# KiCad board 8851_HW-U1-VCU118_REV2-0_071417.kicad_pcb (continued)
## Routing (per net, layer and track width the routed paths; a pad name or vN(x,y) marks a point on that pad's centre or on a via; arc(x,y) is an arc through that point) (continued)
  14_SIG4 w0.087: v3(59,164.5) 59.49,164.01 59.49,152.68 61.1,151.07 61.1,149.34 62.19,148.25 62.66,148.25 65.32,145.59 65.32,144.82 65.23,144.73 63.17,144.73 62.92,144.48 62.92,143.9 63.17,143.65 65.23,143.65 65.32,143.57 65.32,139.71 65.97,139.07 86.26,139.07 86.69,138.64 86.69,134.65 87.03,134.31 87.61,134.31 87.86,134.56 87.86,137.86 87.95,137.95 88.3,137.95 88.39,137.86 88.39,134.56 90.07,132.88 103.48,132.88 104.18,132.18 104.62,132.18 108,128.8 108,127.69 111.42,124.27 113.05,124.27 113.38,123.95 113.38,122.43 114.66,121.14 114.66,108.83 113.08,107.26 113.08,104.34 110.54,101.8 110.54,99.97 110.35,99.78 110.07,99.5 109.5,99.5 108.2,98.2 108.2,92.17 106.87,90.84 106.87,88
FMCP_HSPC_LA32_P: length 157.1
  TOP w0.102: 104.07,74.16 v2(103.58,74.65) ; J22.H37 v3(60.25,164.5)
  14_SIG4 w0.075: 107.14,88 107.14,87.98 107.1,87.94 107.1,86.1 107.12,86.08 107.12,85.23 106.8,84.9 106.35,84.9 106.12,84.67 106.12,83.24 105.79,82.92 105.38,82.92 105.15,82.69 105.15,82.28 104.81,81.93 103.42,81.93 103.19,81.7 103.19,81.29 102.84,80.95 102.43,80.95 102.2,80.72 102.2,75.47 102.43,75.24 102.86,75.24 103.19,74.91 103.19,74.72 103.26,74.65 v2(103.58,74.65)
  14_SIG4 w0.087: 107.14,88 107.14,90.72 108.47,92.05 108.47,98.09 109.61,99.23 110.18,99.23 110.54,99.58 110.82,99.86 110.82,101.68 113.36,104.23 113.36,107.14 114.94,108.72 114.94,121.25 113.65,122.54 113.65,124.06 113.16,124.55 111.53,124.55 108.28,127.81 108.28,128.91 104.74,132.45 104.3,132.45 103.59,133.15 90.18,133.15 88.66,134.67 88.66,137.98 88.41,138.23 87.84,138.23 87.59,137.98 87.59,134.67 87.5,134.58 87.14,134.58 86.96,134.76 86.96,138.75 86.38,139.34 66.08,139.34 65.6,139.83 65.6,143.68 65.35,143.93 63.29,143.93 63.2,144.02 63.2,144.37 63.29,144.45 65.35,144.45 65.6,144.7 65.6,145.7 62.78,148.52 62.3,148.52 61.37,149.45 61.37,151.19 59.76,152.79 59.76,164.13 59.58,164.32 59.58,164.7 59.7,164.83 59.93,164.83 v3(60.25,164.5)
FMCP_HSPC_LA33_N: length 154.7
  TOP w0.102: J22.G37 v3(60.25,163.25) ; 103.09,75.14 v2(102.6,75.63)
  14_SIG4 w0.075: v2(102.6,75.63) 102.92,75.63 102.99,75.71 102.99,79.81 103.34,80.16 103.74,80.16 103.97,80.39 103.97,80.8 104.32,81.14 105.71,81.14 105.94,81.37 105.94,81.78 106.29,82.13 107.68,82.13 107.89,82.34 107.89,84.94 107.91,84.96 107.91,86.06 107.93,86.07 107.93,87.95 107.89,87.99 107.89,88.01
  14_SIG4 w0.087: v3(60.25,163.25) 60.65,163.25 60.74,163.16 60.74,152.77 61.09,152.43 61.81,152.43 63.08,151.16 63.08,149.09 66.28,145.89 66.28,140.36 66.66,139.97 87.3,139.97 87.48,139.79 87.48,139.07 87.73,138.83 88.31,138.83 88.56,139.07 88.56,139.79 88.65,139.88 89.15,139.88 89.35,139.67 89.35,137.27 89.6,137.02 92.76,137.02 92.85,136.94 92.85,136.59 92.76,136.5 89.6,136.5 89.35,136.25 89.35,135.59 89.74,135.2 96.23,135.2 97.17,134.26 103.75,134.26 104.01,134.51 104.15,134.51 104.44,134.21 104.44,134.07 104.23,133.86 104.23,133.48 104.61,133.1 104.99,133.1 105.11,133.23 105.43,133.23 106.3,132.36 106.3,131.73 108.88,129.15 108.88,128.14 111.74,125.27 114.46,125.27 114.69,125.04 114.69,123.58 114.69,122.75 115.53,121.91 115.53,108.65 115.77,108.41 115.88,108.31 115.88,104.94 115.61,104.68 115.47,104.68 115.09,105.06 114.71,105.06 114.25,104.6 114.25,104.22 114.63,103.84 114.63,103.7 113.91,102.97 113.22,102.97 112.22,101.98 112.22,101.53 111.49,100.8 111.49,99.7 111.13,99.34 110.35,98.56 109.79,98.56 109.08,97.86 109.08,91.48 107.89,90.28 107.89,88.01
FMCP_HSPC_LA33_P: length 154.7
  TOP w0.102: J22.G36 v3(61.5,163.25) ; 104.07,75.14 v2(103.58,75.63)
  14_SIG4 w0.075: 108.16,88.01 108.16,87.99 108.12,87.95 108.12,85.99 108.11,85.97 108.11,84.88 108.09,84.86 108.09,82.26 107.76,81.93 106.37,81.93 106.14,81.7 106.14,81.29 105.79,80.95 104.4,80.95 104.17,80.72 104.17,80.31 103.82,79.96 103.42,79.96 103.19,79.73 103.19,75.71 103.26,75.63 v2(103.58,75.63)
  14_SIG4 w0.087: 108.16,88.01 108.16,90.17 109.36,91.36 109.36,97.75 109.9,98.29 110.19,98.29 110.19,98.29 110.47,98.29 111.4,99.23 111.77,99.59 111.77,100.68 112.5,101.42 112.5,101.87 113.33,102.7 114.02,102.7 114.9,103.58 114.9,103.95 114.52,104.33 114.52,104.49 114.82,104.79 114.98,104.79 115.36,104.41 115.73,104.41 116.15,104.83 116.15,108.42 115.88,108.69 115.81,108.76 115.81,122.02 114.97,122.86 114.97,123.52 114.97,125.16 114.58,125.55 111.85,125.55 109.15,128.25 109.15,129.26 106.57,131.84 106.57,132.47 105.55,133.5 105,133.5 104.87,133.37 104.72,133.37 104.51,133.59 104.51,133.74 104.72,133.96 104.72,134.33 104.26,134.78 103.89,134.78 103.64,134.53 97.29,134.53 96.35,135.47 89.85,135.47 89.62,135.7 89.62,136.14 89.71,136.22 92.88,136.22 93.12,136.47 93.12,137.05 92.88,137.3 89.71,137.3 89.62,137.39 89.62,139.79 89.26,140.15 88.53,140.15 88.28,139.9 88.28,139.19 88.2,139.1 87.85,139.1 87.76,139.19 87.76,139.9 87.41,140.25 66.78,140.25 66.55,140.48 66.55,146 63.35,149.2 63.35,151.27 61.92,152.7 61.2,152.7 61.01,152.89 61.01,163.11 61.15,163.25 v3(61.5,163.25)
FMCP_HSPC_PG_M2C: length 162.2
  TOP w0.15: v3(105.25,162) J22.F1 106.67,163.43 v3(106.67,165.11)
  14_SIG4 w0.087: v3(55.42,123.18) 53.35,125.25 53.35,128.09 53.04,128.39 53.04,130.53 53.77,131.25 53.77,142.64 54.58,143.45 54.58,152.2 v3(55.56,153.19)
  18_SIG6 w0.087: v3(55.42,123.18) 55.42,115.37 53.4,113.35 53.4,98.82 49.05,94.47 45.85,94.47 42.2,90.82 42.2,82.08 46.55,77.72 46.55,75.65 v3(47.61,74.59)
  BOTTOM w0.15: v3(55.56,153.19) 56.47,152.29 57.84,152.29 58.36,151.77 58.36,148.64 58.92,148.08 60.26,148.08 60.88,148.7 62.6,148.7 63.25,148.05 66.87,148.05 69.37,150.54 102.83,150.54 103.25,150.96 103.25,160.71 103.93,161.39 104.63,161.39 v3(105.25,162) ; 107.37,165.11 v3(106.67,165.11) ; 46.42,74.59 v3(47.61,74.59)
  BOTTOM w0.375: R308.2 v3(109.06,165.11)
FMCP_HSPC_PG_M2C_LS: length 129.9
  TOP w0.15: 124.74,75.14 v2(125.23,75.63)
  03_SIG1 w0.17: v3(60.1,105.08) 57.33,102.3 57.33,99.85 56.42,98.95 54.2,98.95 53.29,98.04 53.29,93.21 45.58,85.5 45.58,85.05 45.02,84.49 41.97,84.49 40.56,83.08 40.56,75.63 v3(39.51,74.59)
  BOTTOM w0.111: 118.85,75.52 118.85,75.38 118.99,75.24 124.84,75.24 v2(125.23,75.63)
  BOTTOM w0.15: 118.85,75.52 118.85,75.81 118.54,76.12 118.15,76.12 117.85,76.42 117.85,76.81 117.56,77.11 117.12,77.11 116.13,78.09 110.27,78.09 109.98,78.39 109.98,78.78 109.68,79.08 109.29,79.08 108.99,79.37 108.99,79.77 108.7,80.06 108.26,80.06 108.03,80.3 108.03,80.73 107.71,81.05 107.32,81.05 107.03,81.34 107.03,81.73 106.71,82.05 106.32,82.05 106.08,82.29 106.08,82.68 105.73,83.02 105.34,83.02 105.05,83.32 105.05,83.71 104.76,84 104.37,84 104.07,84.29 104.07,90.03 98.75,95.35 98.75,100.6 97.8,101.55 88.7,101.55 86.95,103.3 64.25,103.3 62.48,105.08 v3(60.1,105.08) ; 40.67,74.59 v3(39.51,74.59)
FMCP_HSPC_PRSNT_M2C_B_SYSCTLR: length 24.7
  TOP w0.15: 10.14,128.51 v6(9.75,128.12)
  18_SIG6 w0.087: v3(25,120.42) 25,120.08 24.09,119.16 17.31,119.16 16.69,119.78 15.32,119.78 14.93,120.17 14.93,124.03 12.88,126.08 11.91,126.08 11.71,126.27 11.71,126.71 11.48,126.94 10.3,126.94 10.14,127.1 10.14,127.73 v6(9.75,128.12)
  BOTTOM w0.15: 25.35,121.88 25.35,120.77 v3(25,120.42)
FMCP_HSPC_REFCLK_C2M_N: length 155.7
  TOP w0.102: v2(127.2,74.65) 126.71,74.16 ; J22.L21 v3(80.25,168.25)
  14_SIG4 w0.075: 124.12,87.97 124.07,87.97 123.84,87.74 123.84,87.18 123.51,86.85 123.1,86.85 122.89,86.64 122.89,86.14 122.6,85.85 122.1,85.85 121.89,85.64 121.89,83.06 121.87,83.04 121.87,81.03 121.89,81.01 121.89,77.44 122.12,77.21 126.46,77.21 126.81,76.86 126.81,74.72 126.88,74.65 v2(127.2,74.65)
  14_SIG4 w0.087: v3(80.25,168.25) 80.74,168.74 80.74,169.9 81.1,170.26 106.41,170.26 107.52,169.16 107.52,163.97 111.82,159.66 111.82,157.76 119.87,149.71 126.12,149.71 131.55,144.28 133.06,144.28 136.05,141.29 136.05,130.41 137.54,128.93 137.54,126.52 134.7,123.69 134.7,112.71 132,110.01 132,104.65 132.85,103.8 132.85,99.38 133.07,99.15 133.07,96.09 125.12,88.14 124.29,88.14 124.12,87.97
FMCP_HSPC_REFCLK_C2M_P: length 155.7
  TOP w0.102: J22.L20 v3(81.5,168.25) ; v2(126.22,74.65) 125.73,74.16
  14_SIG4 w0.075: 123.93,88.16 123.92,88.15 123.92,88.1 123.64,87.82 123.64,87.26 123.43,87.05 123.02,87.05 122.69,86.72 122.69,86.22 122.52,86.05 122.02,86.05 121.69,85.72 121.69,83.14 121.67,83.12 121.67,80.95 121.69,80.93 121.69,77.36 122.04,77.01 126.38,77.01 126.61,76.78 126.61,74.72 126.54,74.65 v2(126.22,74.65)
  14_SIG4 w0.087: 123.93,88.16 124.18,88.41 125.01,88.41 132.8,96.2 132.8,99.04 132.57,99.26 132.57,103.69 131.72,104.54 131.72,110.12 134.43,112.82 134.43,123.8 137.26,126.64 137.26,128.81 135.78,130.3 135.78,141.18 132.95,144 131.43,144 126,149.43 119.75,149.43 111.55,157.64 111.55,159.55 107.24,163.85 107.24,169.04 106.3,169.99 81.21,169.99 81.01,169.79 81.01,168.63 80.85,168.46 80.85,167.93 80.92,167.85 81.1,167.85 v3(81.5,168.25)
FMCP_HSPC_REFCLK_M2C_N: length 153.8
  TOP w0.102: J22.L25 v3(75.25,168.25) ; 123.76,75.14 v2(124.25,75.63)
  14_SIG4 w0.075: v2(124.25,75.63) 123.93,75.63 123.85,75.56 123.85,75.37 123.53,75.04 120.07,75.04 119.72,75.39 119.72,80.98 119.7,81 119.7,83.05 119.72,83.07 119.72,84 119.74,84.02 119.74,86.01 119.7,86.05 119.7,87.73 120.05,88.08 120.88,88.08 122.47,89.68 123.02,89.68 123.06,89.72 123.08,89.72
  14_SIG4 w0.087: v3(75.25,168.25) 75.74,167.76 75.74,166.69 76.18,166.24 104.2,166.24 104.49,165.95 104.49,161.69 104.93,161.24 105.6,161.24 105.89,160.95 105.89,157.05 107.49,155.44 111.32,155.44 118.92,147.85 125.31,147.85 134.07,139.08 134.07,127.41 131.7,125.04 131.7,117.39 131.85,117.24 131.85,115.65 130.18,113.98 130.18,104.51 129.76,104.09 129.76,95.98 123.5,89.72 123.08,89.72
FMCP_HSPC_REFCLK_M2C_P: length 153.5
  TOP w0.102: 122.77,75.14 v2(123.26,75.63) ; J22.L24 v3(76.5,168.25)
  14_SIG4 w0.075: v2(123.26,75.63) 123.58,75.63 123.66,75.56 123.66,75.45 123.45,75.24 120.15,75.24 119.92,75.47 119.92,81.06 119.9,81.08 119.9,82.97 119.92,82.99 119.92,83.92 119.94,83.94 119.94,86.09 119.9,86.13 119.9,87.65 120.13,87.88 120.96,87.88 122.55,89.48 123.02,89.48 123.06,89.44 123.08,89.44
  14_SIG4 w0.087: 123.08,89.44 123.61,89.44 130.03,95.86 130.03,103.98 130.45,104.4 130.45,113.86 132.12,115.54 132.12,117.35 131.97,117.5 131.97,124.92 134.35,127.3 134.35,139.2 125.42,148.13 119.03,148.13 111.44,155.72 107.61,155.72 106.16,157.17 106.16,161.06 105.71,161.51 105.05,161.51 104.76,161.8 104.76,166.07 104.32,166.51 76.3,166.51 76.01,166.8 76.01,168.19 76.08,168.25 v3(76.5,168.25)
FMCP_HSPC_SYNC_C2M_N: length 144.6
  TOP w0.102: J22.L17 v3(85.25,168.25) ; v2(126.22,76.62) 125.73,76.12
  14_SIG4 w0.075: v2(126.22,76.62) 126.22,76.3 126.14,76.22 121.13,76.22 120.9,76.45 120.9,80.93 120.92,80.94 120.92,83.03 120.9,83.05 120.9,85.93 120.92,85.94 120.92,86.64 121.13,86.85 121.54,86.85 121.87,87.18 121.87,87.67 123.02,88.82 123.83,88.82 123.88,88.78 123.89,88.78
  14_SIG4 w0.087: 123.89,88.78 124.6,88.78 131.62,95.81 131.62,102.74 131.25,103.11 131.25,111.89 133.68,114.31 133.68,124.01 136.07,126.41 136.07,129.06 135.22,129.91 135.22,139.43 125.7,148.96 119.5,148.96 109.99,158.46 109.99,159.37 106.09,163.27 106.09,168.49 105.57,169.01 86.01,169.01 v3(85.25,168.25)
FMCP_HSPC_SYNC_C2M_P: length 145.3
  TOP w0.102: v2(126.22,75.63) 125.73,75.14 ; J22.L16 v3(86.5,168.25)
  14_SIG4 w0.075: v2(126.22,75.63) 126.22,75.95 126.14,76.03 121.05,76.03 120.71,76.37 120.71,81.01 120.72,81.03 120.72,82.95 120.71,82.97 120.71,86.01 120.72,86.03 120.72,86.72 121.05,87.05 121.46,87.05 121.67,87.26 121.67,87.75 122.94,89.02 123.83,89.02 123.88,89.06 123.89,89.06
  14_SIG4 w0.087: v3(86.5,168.25) 86.5,167.85 86.4,167.75 85.97,167.75 85.88,167.85 85.88,168.49 86.13,168.74 105.45,168.74 105.82,168.37 105.82,163.16 109.71,159.26 109.71,158.35 119.38,148.68 125.58,148.68 134.95,139.31 134.95,129.8 135.8,128.95 135.8,126.52 133.4,124.12 133.4,114.42 130.97,112 130.97,103 131.35,102.62 131.35,95.92 124.48,89.06 123.89,89.06
FMCP_HSPC_SYNC_M2C_N: length 165
  TOP w0.102: J22.L29 v3(70.25,168.25) ; v2(126.22,77.6) 125.73,77.11
  14_SIG4 w0.075: 126.63,88.45 126.62,88.44 126.56,88.44 125.8,87.68 125.8,87.18 125.48,86.85 125.07,86.85 124.86,86.64 124.86,86.18 124.53,85.85 124.07,85.85 123.85,85.64 123.85,85.23 123.53,84.9 123.08,84.9 122.85,84.68 122.85,83.05 122.89,83.01 122.89,80.97 122.87,80.95 122.87,78.42 123.1,78.19 125.5,78.19 125.82,77.86 125.82,77.68 125.9,77.6 v2(126.22,77.6)
  14_SIG4 w0.087: v3(70.25,168.25) 70.74,168.74 70.74,170.55 71.22,171.04 107.04,171.04 108.43,169.65 108.43,164.41 113.07,159.77 113.07,157.76 118.95,151.88 121.47,151.88 122.1,151.25 122.1,150.75 122.32,150.53 126.42,150.53 130.84,146.11 132.92,146.11 137.04,141.99 137.04,130.68 139.06,128.66 139.06,125.97 138.06,124.97 138.06,123.67 137.46,123.06 135.78,123.06 135.53,122.81 135.53,112.34 132.8,109.61 132.8,105.28 134.15,103.93 134.15,95.97 126.63,88.45
FMCP_HSPC_SYNC_M2C_P: length 165.5
  TOP w0.102: J22.L28 v3(71.5,168.25) ; v2(125.23,77.6) 124.74,77.11
  14_SIG4 w0.075: 126.44,88.65 126.43,88.63 126.43,88.58 125.61,87.76 125.61,87.26 125.4,87.05 124.99,87.05 124.66,86.72 124.66,86.26 124.45,86.05 123.99,86.05 123.66,85.72 123.66,85.31 123.45,85.1 123,85.1 122.66,84.76 122.66,82.97 122.69,82.93 122.69,81.05 122.68,81.03 122.68,78.34 123.02,78 125.41,78 125.63,77.78 125.63,77.68 125.55,77.6 v2(125.23,77.6)
  14_SIG4 w0.087: 126.44,88.65 133.88,96.08 133.88,103.81 132.53,105.16 132.53,109.72 135.25,112.45 135.25,122.92 135.67,123.34 137.34,123.34 137.79,123.78 137.79,125.08 138.79,126.08 138.79,128.54 136.76,130.57 136.76,141.88 132.8,145.84 130.72,145.84 126.31,150.25 122.21,150.25 121.83,150.64 121.83,151.14 121.36,151.6 118.83,151.6 118.55,151.88 112.79,157.64 112.79,159.66 108.15,164.29 108.15,169.53 106.92,170.76 71.34,170.76 71.01,170.44 71.01,168.63 70.83,168.44 70.83,167.9 71,167.73 71.4,167.73 71.5,167.83 v3(71.5,168.25)
FMCP_HSPC_TCK_BUF: length 96.7
  TOP w0.138: v3(58.23,141.73) 58.23,141.08 58.6,140.7 59.17,140.7 59.41,140.93 U19.17
  TOP w0.15: J22.D29 v3(70.25,159.5)
  18_SIG6 w0.087: v3(58.23,141.73) 59.92,141.73 61.81,143.62 63.64,143.62 64.39,144.37 64.39,150.09 65.9,151.6 65.9,153.65 65.62,153.93 51.55,153.93 51.16,154.31 51.16,155.67 50.88,155.95 50.88,160.62 51.2,160.95 51.75,160.95 51.98,160.73 51.98,155.5 52.33,155.15 55.55,155.15 55.8,155.4 55.8,156.1 55.58,156.33 53.92,156.33 53.67,156.58 53.67,159.88 54.08,160.28 54.75,160.28 54.95,160.08 54.95,157.87 55.19,157.63 65.65,157.63 65.88,157.85 65.88,167.09 66.36,167.58 70.42,167.58 70.88,167.12 J22.D29 v3(70.25,159.5)
FMCP_HSPC_TDO_HPC1_TDI: length 122.7
  TOP w0.15: J2.D30 v3(137.9,159.5) ; J22.D31 v3(67.75,159.5)
  05_SIG2 w0.17: v3(137.9,159.5) 137.33,158.93 136.52,158.93 136.11,158.51 136.11,154.05 v3(136.8,153.36)
  BOTTOM w0.15: v3(67.75,159.5) 67.02,158.78 64.95,158.78 64.72,158.55 64.72,158.27 64.21,157.75 63.7,157.75 63.38,157.43 63.38,152.93 64.33,151.97 64.33,150.43 64.2,150.3 U26.2 62.32,150.3 61.77,149.76 61.77,149.34 62.07,149.05 63,149.05 63.62,148.43 66.75,148.43 69.5,151.18 101,151.18 102.12,152.3 102.12,162.3 102.5,162.68 106.25,162.68 109.5,159.43 109.5,157.68 110.12,157.05 110.12,153.43 111.12,152.43 115.62,152.43 117.62,150.43 133.29,150.43 135.15,152.28 136.8,152.28 v3(136.8,153.36)
FMCP_HSPC_TMS_BUF: length 98.9
  TOP w0.138: v3(62.2,143) 61.41,143 61.26,142.85 U19.20
  TOP w0.15: J22.D33 v3(65.25,159.5)
  05_SIG2 w0.17: v3(62.2,143) 61.63,143 60.73,143.9 59.83,143.9 59.67,143.75 59.67,137.83 59.3,137.45 58.31,137.45 57.46,138.3 57.46,145.39 57.15,145.7 56.15,145.7 55.85,145.4 55.85,138.66 55.73,138.54 54.69,138.54 54.48,138.75 54.48,149 55,149.53 59.5,149.53 59.92,149.1 59.92,146.27 60.09,146.1 61.05,146.1 61.23,146.27 61.23,150.2 61,150.43 54,150.43 53.8,150.23 53.8,149.3 53.62,149.12 52.88,149.12 52.77,149.23 52.77,150.28 52.62,150.43 51.98,150.43 51.8,150.25 51.8,149.4 51.65,149.25 50.95,149.25 50.8,149.4 50.8,150.3 50.67,150.43 49.98,150.43 49.85,150.3 49.85,149.43 49.65,149.23 49.08,149.23 48.9,149.4 48.9,151.03 49.2,151.33 60.3,151.33 61.27,152.3 64.25,152.3 64.64,152.69 64.64,158.89 v3(65.25,159.5)
FMCP_HSPC_VREF_A_M2C: length 340.1
  TOP w0.15: J22.H1 v3(105.25,164.5)
  BOTTOM w0.111: 131.63,62.7 131.63,62.59 131.88,62.35 132.47,62.35 132.57,62.44 133.28,62.44 133.7,62.87 133.7,63.1
  BOTTOM w0.15: 131.63,62.7 131.63,64.51 130.84,65.3 129.98,65.3 129.66,65.62 129.66,65.99 129.37,66.28 128.97,66.28 128.68,66.58 128.68,66.97 128.38,67.27 127.99,67.27 127.69,67.56 127.69,67.97 127.41,68.25 127.01,68.25 126.71,68.55 126.71,68.95 126.43,69.24 121.81,69.24 121.8,69.23 120.79,69.23 120.79,69.24 117.08,69.24 116.47,69.84 116.47,70.33 115.59,71.21 110.99,71.21 110.97,71.19 110.97,70.23 110.97,69.49 110.67,69.2 108.34,69.2 108.01,69.53 108.01,70.07 107.8,70.28 107.27,70.28 107.08,70.47 107.08,70.92 106.8,71.2 106.35,71.2 106.04,71.51 106.04,71.89 105.74,72.19 105.31,72.19 105.06,72.44 105.06,72.87 104.75,73.17 104.37,73.17 104.07,73.47 104.07,73.86 103.78,74.16 103.34,74.16 103.09,74.41 103.09,74.84 102.79,75.14 102.4,75.14 102.1,75.44 102.1,75.85 101.82,76.12 101.4,76.12 101.12,76.4 101.12,76.81 100.82,77.11 100.41,77.11 100.13,77.39 100.13,77.81 99.86,78.09 99.43,78.09 99.15,78.37 99.15,78.8 98.87,79.08 91.37,79.08 87.52,82.92 81.3,82.92 80.15,84.08 65.81,84.08 64.25,85.64 64.25,87.8 63.3,88.75 57.8,88.75 55.98,90.58 55.98,91.77 53.48,94.27 53.48,94.97 49.9,98.55 36.45,98.55 32.3,102.7 27.58,102.7 24.45,105.83 24.45,112.67 23.45,113.67 23.45,114.7 22.55,115.6 22.55,117.6 24.38,119.42 30.6,119.42 31.23,120.05 31.23,128.7 29.95,129.97 29.95,131.1 27.82,133.23 27.82,133.8 28.05,134.03 29.07,134.03 30.35,135.3 30.35,143.62 28.75,145.23 28.75,153.93 31,156.18 46.23,156.18 47.82,154.58 53.65,154.58 54.92,155.85 54.92,159.2 55.8,160.08 61.77,160.08 62.15,160.45 62.15,163.53 62.52,163.9 104.65,163.9 v3(105.25,164.5) ; 115.89,53.48 115.89,54.48 115.89,55.14 115.58,55.45 113.2,55.45 112.93,55.72 112.93,58.11 113.23,58.41 113.68,58.41 113.91,58.64 113.91,59.21 114.1,59.39 115.91,59.39 116.55,58.75 116.55,58.03 117.15,57.42 125.45,57.42 125.73,57.15 125.73,56.57 125.86,56.44 126.41,56.44 126.71,56.14 126.71,55.72 126.97,55.46 127.4,55.46 127.69,55.17 127.69,54.77 127.99,54.47 128.4,54.47 128.68,54.19 128.68,53.78 128.97,53.49 129.37,53.49 129.66,53.19 129.66,52.8 129.96,52.5 132.43,52.5 132.62,52.69 132.62,53.19 132.91,53.49 133.3,53.49 133.6,53.78 133.6,54.18 133.9,54.47 134.35,54.47 134.58,54.71 134.58,55.16 134.88,55.46 135.38,55.46 135.57,55.64 135.57,56.14 135.86,56.44 136.26,56.44 136.55,56.73 136.55,57.13 136.85,57.42 137.35,57.42 137.54,57.61 137.54,58.11 137.83,58.41 138.21,58.41 138.52,58.72 138.52,59.1 138.82,59.39 139.34,59.39 140.38,60.42 140.38,63.12 139.24,64.25 136.8,64.25 136.52,63.97 136.52,63.57 136.3,63.35 133.95,63.35 133.7,63.1
FMCP_HSPC_Z_PRSNT_M2C_B: length 191.5
  TOP w0.15: J22.Z1 v3(105.25,154.5)
  05_SIG2 w0.17: v3(30.57,122.55) 30.95,122.17 30.95,116.75 29.6,115.4 29.6,112.72 27.32,110.45 27.32,106.5 29.5,104.33 32.23,104.33 34.4,102.15 35.73,102.15 37.73,100.15 37.73,94.25 42.2,89.77 42.2,80.27 v3(45.17,77.3)
  18_SIG6 w0.087: v3(106.73,157.32) 106.42,157.32 105.45,156.35 104.9,156.35 104.67,156.12 104.67,155.08 v3(105.25,154.5) 104.6,153.85 101.2,153.85 100.88,154.18 100.88,168.53 100.58,168.83 55.95,168.83 54.45,167.33 54.45,164.48 51.98,162 51.2,162 50.08,160.88 50.08,156.1 50.7,155.48 50.7,152.88 47.6,149.78 46.33,149.78 45.83,149.28 38.65,149.28 35.5,146.12 35.5,141.12 33.45,139.08 33.45,132.65 31.3,130.5 31.3,123.27 v3(30.57,122.55)
  BOTTOM w0.15: 107.38,157.11 106.95,157.11 v3(106.73,157.32) ; v3(45.17,77.3) 45.17,76.83 45.49,76.51 46.42,76.51
FMCP_HSPC_Z_PRSNT_M2C_B_LS: length 114.3
  TOP w0.15: v2(125.23,70.71) 124.74,70.22
  05_SIG2 w0.17: v3(56.7,91.12) 54.08,88.5 54.08,81.88 49.49,77.3 49.49,76.3 49.15,75.95 48.66,75.95 47.92,75.22 47.2,75.22 46.66,74.68 43.9,74.68 42.33,76.25 v3(42.02,76.25)
  BOTTOM w0.15: v2(125.23,70.71) 124.74,70.22 123.03,70.22 122.77,70.48 122.77,70.91 122.48,71.2 120.12,71.2 119.83,70.91 119.83,70.35 119.69,70.22 117.18,70.22 116.38,71.02 116.38,71.47 115.65,72.2 106.32,72.2 106.03,72.5 106.03,72.97 105.83,73.17 105.38,73.17 105.03,73.52 105.03,73.89 104.72,74.2 104.32,74.2 104.1,74.42 104.1,74.82 103.78,75.14 103.38,75.14 103.09,75.44 103.09,75.89 102.85,76.12 102.4,76.12 102.1,76.42 102.1,76.87 101.87,77.11 101.42,77.11 101.12,77.41 101.12,77.8 100.82,78.09 100.38,78.09 100.13,78.34 100.13,78.78 99.84,79.08 99.4,79.08 99.15,79.32 99.15,79.77 98.86,80.06 96.41,80.06 96.2,80.28 96.2,83.73 95.92,84 93.22,84 91.85,85.38 80.7,85.38 80.03,86.05 73.4,86.05 72.15,84.8 65.58,84.8 64.62,85.76 64.62,88.12 63.65,89.1 61.15,89.1 59.5,90.75 57.08,90.75 v3(56.7,91.12) ; v3(42.02,76.25) 41.77,76.51 40.67,76.51
FPGA_DONE: length 374.7
  TOP w0.138: v3(217.05,155.82) 216.86,156.02 R236.2
  TOP w0.15: 117.85,53.49 v2(118.34,52.99) ; R554.2 v3(27.74,82.29)
  05_SIG2 w0.17: v3(217.05,155.82) 216.47,156.41 215.01,156.41 214.72,156.7 205.38,156.7 203.91,158.18 202.73,158.18 201.67,157.12 193.3,157.12 191.64,155.46 183.02,155.46 177.66,150.09 172.17,150.09 166.16,144.08 166.16,139.71 165.04,138.59 165.04,129.7 169.68,125.05 169.68,123.8 166.59,120.71 166.59,112.32 163.59,109.32 159.9,109.32 157.69,111.54 155.22,111.54 153.77,113 151.54,113 149.83,111.29 144.73,111.29 144.59,111.15 142.76,111.15 140.65,109.05 140.65,106.31 140.31,105.96 139.54,105.96 139.1,105.53 139.1,104.95 138.4,104.26 138.4,87.74 137.54,86.87 137.54,86.17 137.38,86.02 136.82,86.02 136.5,85.7 136.5,85.34 136.23,85.07 134.82,85.07 134.56,84.81 134.56,83.3 134.28,83.02 133.88,83.02 133.58,82.72 133.58,82.3 133.31,82.02 132.87,82.02 132.62,81.77 132.62,81.37 132.3,81.05 131.89,81.05 131.65,80.81 131.65,80.3 131.42,80.06 130.91,80.06 130.64,79.8 130.64,79.37 130.36,79.09 130.02,79.09 129.67,78.75 129.67,77.3 129.43,77.07 128.96,77.07 128.72,76.82 128.72,76.33 128.51,76.12 127.96,76.12 127.71,75.87 127.71,73.42 127.46,73.17 126.96,73.17 126.71,72.92 126.71,72.36 126.54,72.19 125.04,72.19 124.74,71.89 124.74,70.39 124.52,70.17 124,70.17 123.77,69.94 123.77,69.48 123.52,69.23 123.05,69.23 122.79,68.98 122.79,68.5 122.55,68.26 121.08,68.26 120.8,67.98 120.8,53.76 120.53,53.49 118.84,53.49 v2(118.34,52.99)
  14_SIG4 w0.087: v2(118.34,52.99) 118.06,52.71 118.06,52.71 117.85,52.5 117.85,51.73 117.65,51.52 117.11,51.52 116.87,51.28 116.87,50.93 116.66,50.72 116.66,48.48 116.47,48.29 116.47,46 115.94,45.47 115.94,43.79 115.79,43.64 115.19,43.64 114.9,43.36 114.9,40.35 109.47,34.92 109.47,31.86 110.2,31.13 110.2,23.21 108.44,21.45 107.08,21.45 106.36,22.17 103.76,22.17 102.14,20.55 87.47,20.55 86.78,19.86 78.46,19.86 77.91,20.41 72.31,20.41 71.33,19.43 65.86,19.43 65,20.29 65,21.15 64.39,21.76 62.76,21.76 61.68,22.85 61.68,25.32 61.08,25.91 61.08,30.36 60.71,30.73 60.23,30.73 56.96,34 56.96,34.75 56.15,35.56 52.88,35.56 52.88,35.56 51.62,35.56 47.8,39.37 47.8,42.44 47.32,42.93 47.32,47.43 47.89,48 47.89,52.81 47.17,53.53 47.17,54.3 46.88,54.6 46.88,55.83 47.52,56.47 47.52,59.26 47.05,59.72 47.05,62.95 43.48,66.53 43.48,69.53 45.87,71.92 45.87,79.05 45.1,79.83 30.21,79.83 v3(27.74,82.29)
  BOTTOM w0.15: v3(217.05,155.82) 216.84,156.03 216.84,156.57
FPGA_EMCCLK: length 96.8
  TOP w0.15: v2(124.25,60.87) 123.76,61.36 ; R563.2 162.01,14.31 161.8,14.1 v3(161.47,14.1)
  16_SIG5 w0.087: v3(161.47,14.1) 160.7,14.88 142.22,14.88 141.6,14.25 134.63,14.25 131.6,17.28 127.96,17.28 127.55,16.88 124.28,16.88 123.97,17.18 120.75,17.18 118.6,19.32 118.6,21.15 119.39,21.93 119.39,23.91 118.42,24.88 118.42,25.43 120.1,27.11 120.1,38.05 118.21,39.93 118.21,40.84 117.85,41.2 117.85,53.2 118.14,53.49 118.61,53.49 118.83,53.7 118.83,58.15 119.08,58.4 121.49,58.4 121.86,58.77 121.86,59.18 122.08,59.39 122.48,59.39 122.77,59.68 122.77,60.09 123.06,60.38 123.49,60.38 123.98,60.87 v2(124.25,60.87)
FPGA_EMCCLK_R: length 4.4
  TOP w0.15: 161.21,17.27 161.21,16.76 160.62,16.18 160.62,15.38 R563.1
  TOP w0.25: v3(164.76,18.45) 164.75,18.45 U122.14
  BOTTOM w0.375: v3(164.76,18.45) 164.69,18.52 163.94,18.52
FPGA_INIT_B: length 258.3
  TOP w0.138: 127.98,15.97 128.72,15.97 128.89,16.14 v3(129,16.14)
  TOP w0.15: v2(115.39,52.99) 115.88,53.49 ; R553.2 v3(27.74,84.67) ; R1328.1 v3(140.15,22.37)
  07_SIG3 w0.17: v3(140.15,22.37) 138.8,21.02 133.88,21.02 v3(129,16.14)
  14_SIG4 w0.087: v2(115.39,52.99) 115.88,52.51 115.88,51.73 115.67,51.52 115.1,51.52 114.89,51.31 114.89,51.23 114.9,51.23 114.9,50.82 114.89,50.82 114.89,50.25 114.9,50.24 114.9,49.84 114.89,49.84 114.89,49.26 114.9,49.26 114.9,48.86 114.61,48.57 114.05,48.57 113.91,48.43 113.91,46.75 113.76,46.6 113.22,46.6 112.93,46.31 112.93,45.91 112.64,45.62 112.24,45.62 111.95,45.32 111.95,45.3 111.95,45.3 111.95,43.77 111.79,43.61 111.22,43.61 110.96,43.36 110.96,40.95 103.52,33.51 103.52,30.4 101.36,28.24 100.65,28.24 95.75,23.34 93.53,23.34 92.32,24.55 87.09,24.55 85.77,23.23 81.03,23.23 78.69,25.56 76.53,25.56 74.87,27.21 70.04,27.21 69.17,28.09 68.23,28.09 66.96,29.35 66.96,30.29 64.46,32.8 64.46,33.19 63.55,34.1 63.55,35.95 58.59,40.9 58.59,41.31 58.59,41.31 58.59,44.52 58.48,44.64 58.17,44.94 58.17,51.35 58.67,51.85 58.67,55.03 58.87,55.22 58.87,63.45 58.13,64.18 58.13,71.72 53.86,75.99 53.86,78.39 52.78,79.47 52.78,80.01 47.16,85.63 28.71,85.63 v3(27.74,84.67)
  BOTTOM w0.111: 125.31,41.65 125.38,41.65 125.63,41.4 125.63,40.96 125.38,40.71
  BOTTOM w0.15: 129,15.32 v3(129,16.14) 124.99,16.14 123.75,14.9 117.52,14.9 114.8,17.62 112.59,17.62 111.2,19.02 111.2,25.28 106.95,29.52 106.95,35.38 109.7,38.12 121.79,38.12 124.03,40.37 125.03,40.37 125.38,40.71 ; v2(115.39,52.99) 115.96,52.42 115.96,44.32 116.63,43.65 117.62,43.65 117.87,43.41 117.87,42.95 118.15,42.67 118.6,42.67 118.83,42.9 118.83,43.42 119.05,43.64 119.63,43.64 119.83,43.44 119.83,42.86 120.03,42.66 120.55,42.66 120.81,42.92 120.81,43.51 120.96,43.66 123.51,43.66 123.77,43.4 123.77,42.93 124.03,42.67 124.53,42.67 124.75,42.45 124.75,41.86 124.96,41.65 125.31,41.65
